# Altium PCB PASTE.PcbDoc (part 4 of 7)
Units mil, origin at the board's own origin, x right, y up, seen from the top; angles counter-clockwise.
Board outline 16220 x 11870 mil, 2 copper layers (Top Layer, Bottom Layer); 340 components, 0 nets, 1500 pads, 1280 vias.
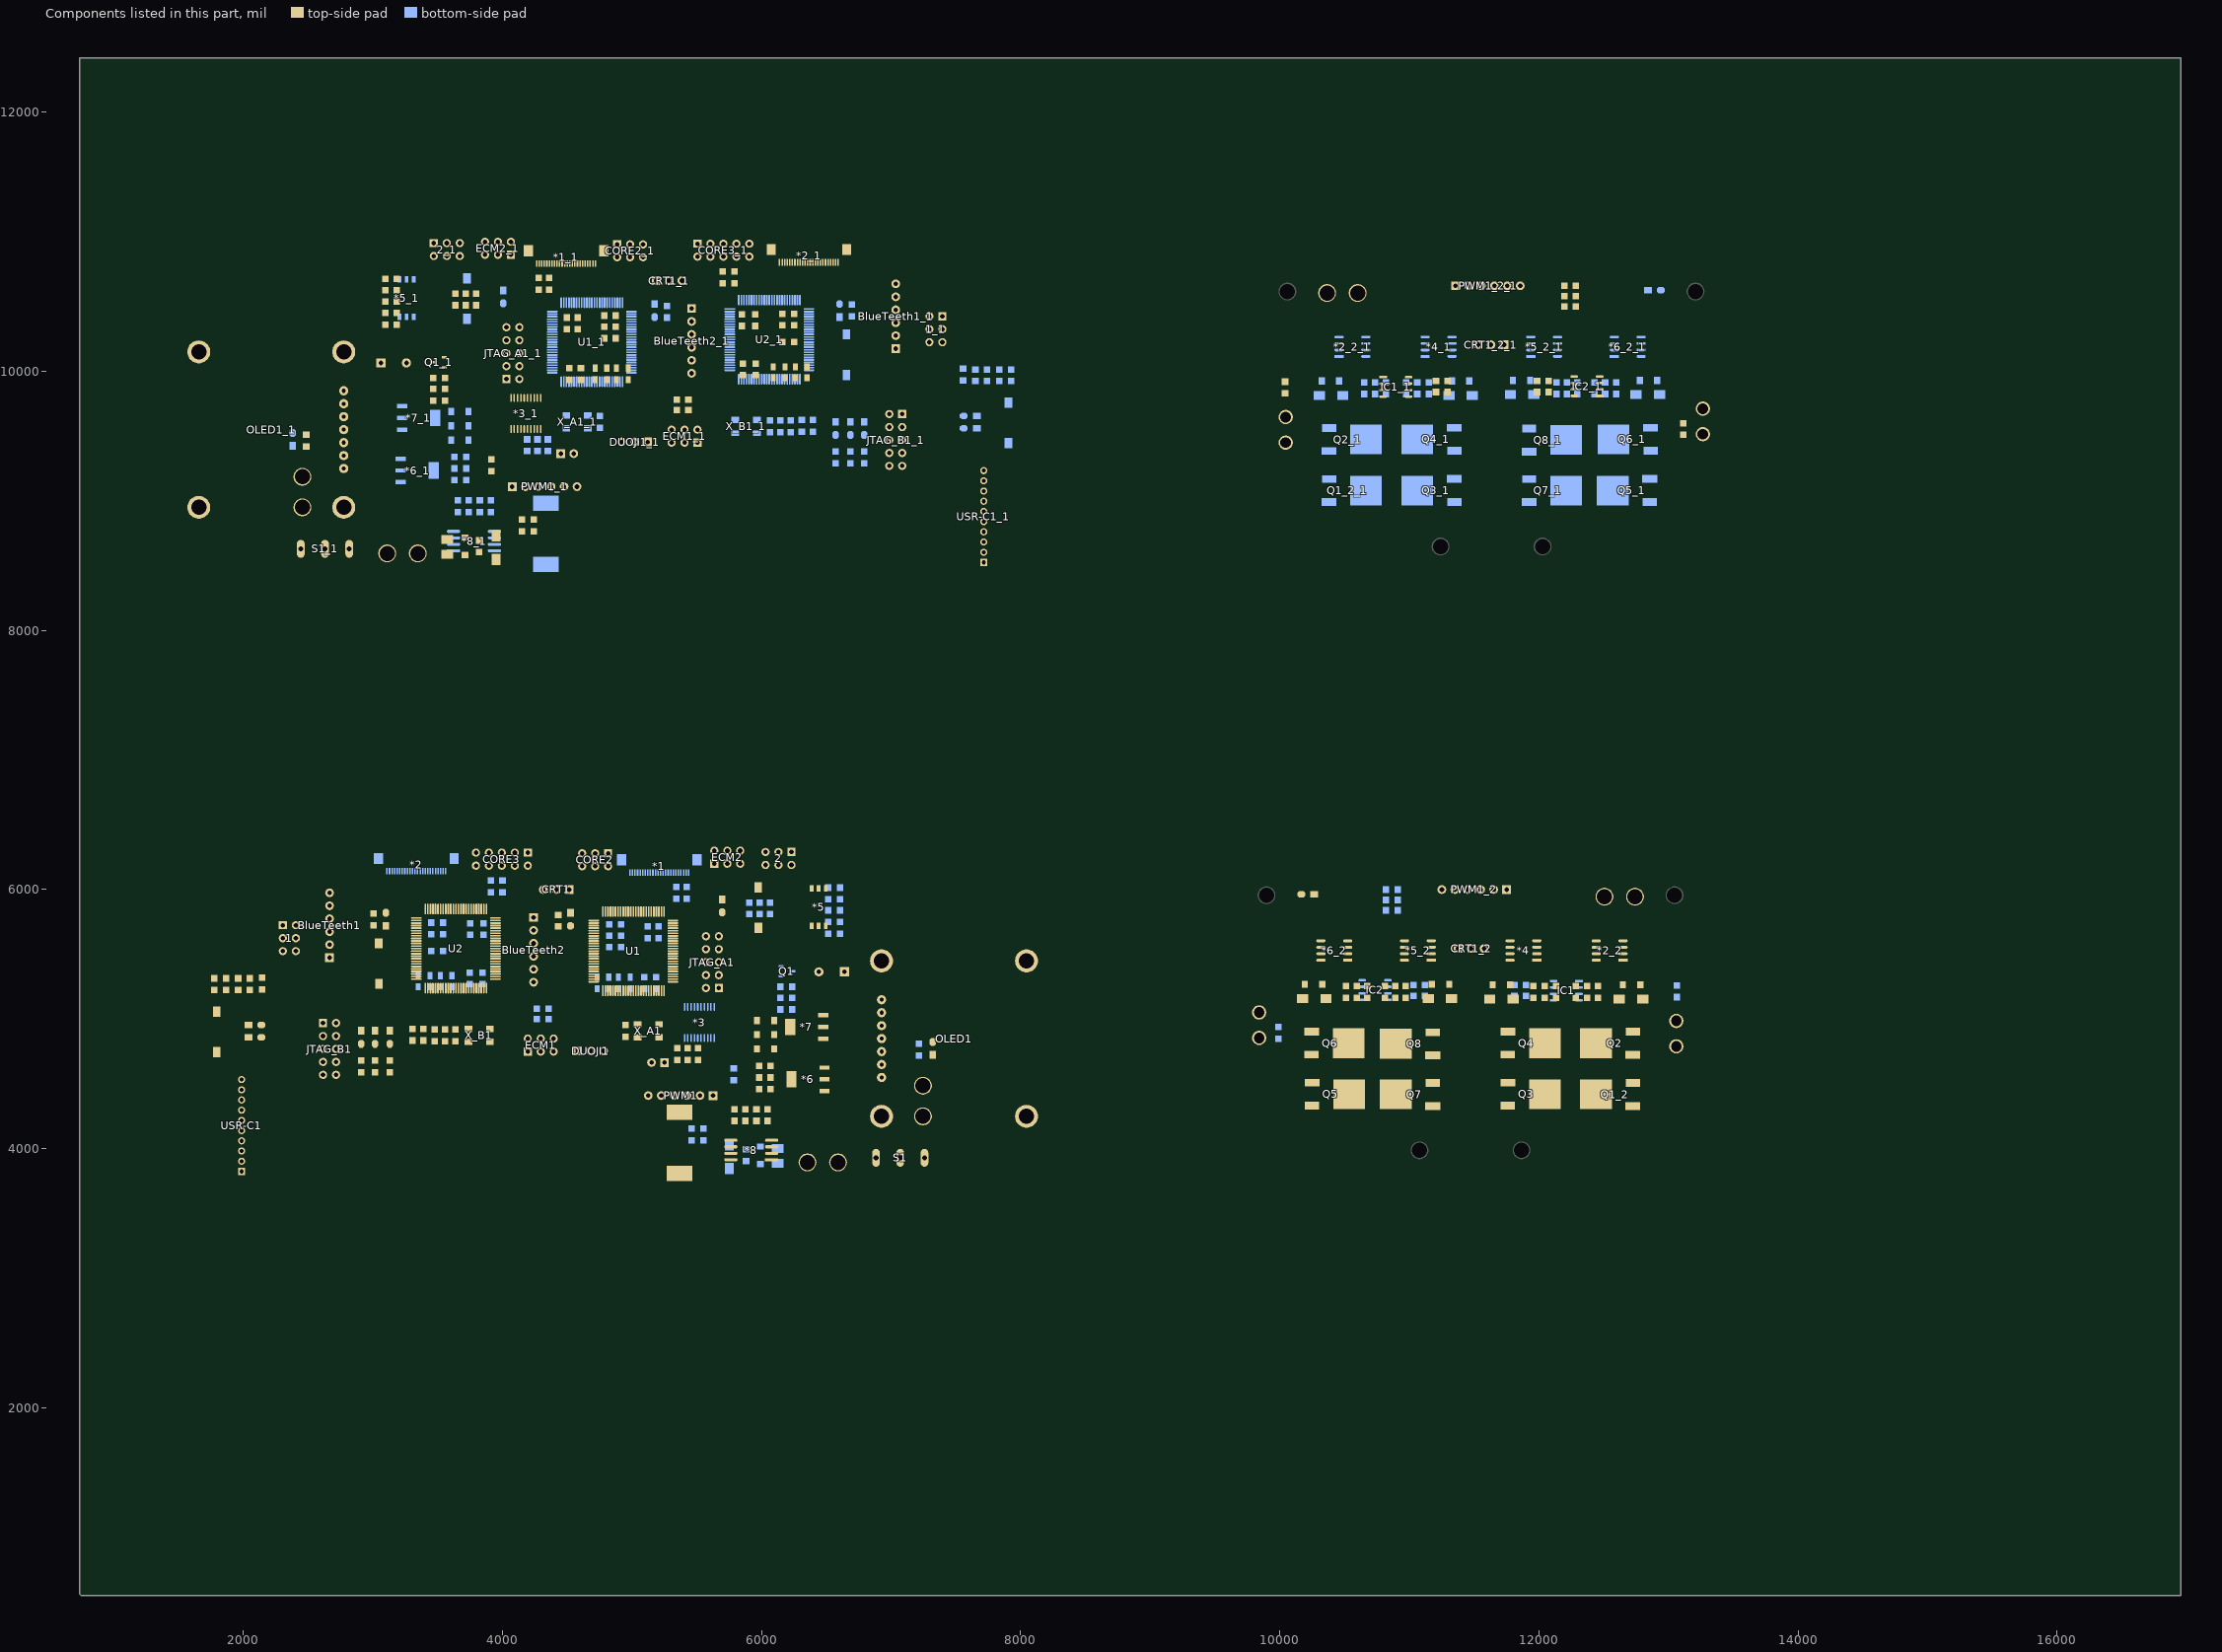
[diagram p4: the components of this part, seen from the top]

## Via types
v1: diameter 20, hole 15, Top Layer to Bottom Layer, tented both sides, 836 vias
v2: diameter 20, hole 10, Top Layer to Bottom Layer, tented both sides, 412 vias
v3: diameter 30, hole 20, Top Layer to Bottom Layer, tented both sides, 22 vias
v4: diameter 177.17, hole 157.48, Top Layer to Bottom Layer, tented both sides, 6 vias
v5: diameter 40, hole 30, Top Layer to Bottom Layer, tented both sides, 4 vias

## Nets (pads, with @x,y where several pads share a name; then routed paths per layer and width w, separated by ;. In a path a pad name is that pad's centre, name@x,y a point inside that pad or via, vN(x,y) a via of type N, cw(c..) or ccw(c..) an arc to the next point about the centre after c; other vN are vias at no path point) (continued)
copper on no net: (continued)
  Top Layer w10: 7073.34,9681.66 ccw(c7045.18,9709.82) 7085,9709.82 ccw(c7124.82,9709.82) 7096.66,9681.66 ; 7085,9643.5 cw(c7085,9579.54) 7130.23,9624.77 cw(c7175.46,9670) 7111.5,9670 ; 7085,9653.5 cw(c7085,9613.68) 7113.16,9641.84 cw(c7141.32,9670) 7101.5,9670 ; v2(7235,4870) 7275,4870 7320,4825 ; v2@7238.54,4866.46 cw(c7247.07,4857.93) 7247.07,4870 cw(c7247.07,4882.07) v2@7238.54,4873.54 ; 7276.26,10206.26 ccw(c7231.03,10161.03) 7231.03,10225 ccw(c7231.03,10288.97) 7276.26,10243.74 ccw(c7231.03,10288.97) 7295,10288.97 ccw(c7358.97,10288.97) 7313.74,10243.74 ; 7276.26,10306.26 cw(c7231.03,10261.03) 7295,10261.03 cw(c7358.97,10261.03) 7313.74,10306.26 ; 7276.26,10343.74 ccw(c7231.03,10388.97) 7295,10388.97 ccw(c7358.97,10388.97) 7313.74,10343.74 ; 7276.26,10406.26 cw(c7231.03,10361.03) 7295,10361.03 cw(c7358.97,10361.03) 7313.74,10406.26 ; 7277.32,4867.68 ccw(c7320,4910.36) 7320,4850 ; 7283.34,10213.34 ccw(c7255.18,10185.18) 7255.18,10225 ccw(c7255.18,10264.82) 7283.34,10236.66 ccw(c7255.18,10264.82) 7295,10264.82 ccw(c7334.82,10264.82) 7306.66,10236.66 ; 7283.34,10313.34 cw(c7255.18,10285.18) 7295,10285.18 cw(c7334.82,10285.18) 7306.66,10313.34 ; 7283.34,10336.66 ccw(c7255.18,10364.82) 7295,10364.82 ccw(c7334.82,10364.82) 7306.66,10336.66 ; 7283.34,10413.34 cw(c7255.18,10385.18) 7295,10385.18 cw(c7334.82,10385.18) 7306.66,10413.34 ; 7289.39,4855.61 cw(c7263.79,4830) 7300,4830 ; 7294.39,4850.61 ccw(c7320,4876.21) 7320,4840 ; 7295,10425 7295,10325 7295,10225 7085,10225 ; v2@7576.46,9481.46 ccw(c7567.93,9472.93) 7567.93,9485 ccw(c7567.93,9497.07) v2@7576.46,9488.54 ; v2@7580,9480 cw(c7580,9467.93) 7588.54,9476.46 cw(c7597.07,9485) v2@7585,9485 ; v2@7635,8925 cw(c7635,8912.93) 7643.54,8921.46 cw(c7652.07,8930) v2@7640,8930 ; v2(7635,8930) 7646.3,8918.7 7714,8918.7 ; 7691.5,8603.74 ccw(c7637.18,8603.74) 7675.59,8642.15 ccw(c7714,8680.56) 7714,8626.24 ; 7698.09,8902.79 ccw(c7659.68,8864.38) 7659.68,8918.7 ccw(c7659.68,8973.02) 7698.09,8934.61 ; 7701.5,8603.74 ccw(c7671.32,8603.74) 7692.66,8625.08 ccw(c7714,8646.42) 7714,8616.24 ; 7705.16,8909.86 ccw(c7683.82,8888.52) 7683.82,8918.7 ccw(c7683.82,8948.88) 7705.16,8927.54 ; 7714,8603.74 7595.24,8722.5 7595.24,9469.76 v2(7580,9485) 7270,9485 7085,9670 7085,10225 ; 10245.23,4904.55 10259.55,4904.55 10320,4965 10560,4965 v1(10635,5040) ; 10250.23,4509.55 10360.68,4620 10630,4620 10720,4710 10720,4930.36 10895,5105.36 10895,5165 ; 10316.65,5455 10365.55,5406.1 10365.55,5236.23 10355.55,5226.23 10355.55,5160 10433.79,5160 10478.79,5205 10630,5205 10680,5255 ; v1(10390,4990) 10390,5020 10510,5140 10510,5165 ; 10523.35,5505 10735,5505 10905,5675 11025,5675 11350,6000 ; v1(10580,4820) v1(10580,4860) v1(10580,4900) 10655,4900 10765,5010 10765,5210 10810,5255 10810,5505 10860,5555 10961.65,5555 ; 10810,5165 10850,5205 10911.21,5205 10930,5223.79 10930,5286.21 10961.65,5317.87 10961.65,5455 v1(10905,5455) ; 10875,5255 10875,5465 10915,5505 10961.65,5505 ; v1(10880,5040) 10975,5135 10975,5170 ; 10961.65,5605 10966.65,5600 10995,5600 11030,5565 11030,5310 10975,5255 ; v1(11070,5405) 11070,5234.45 11144.45,5160 ; v1(11105,4765) 11135.22,4765 11179.77,4720.45 ; 11168.35,5505 11140,5505 11117.91,5527.09 11117.91,5642.91 11450,5975 11450,6000 ; 11550,6000 11550,5980 11900,5630 11900,5540 11935,5505 11983.35,5505 ; 11650,6000 11661.86,6000 11710.32,5951.54 11803.46,5951.54 12080,5675 12480,5675 12565,5590 12565,5520 12580,5505 12648.35,5505 ; v1(12000,9425) 12115,9310 12680,9310 12715,9345 v1(12715,9650) ; v1(12035,10065) 12085,10115 v1(12200,10115) ; v1(12225,9700) v1(12470,9700) ; 2655.43,4829.57 2731.75,4829.57 2757.18,4855 3300,4855 3350,4805 ; 2971.06,5758.94 3005,5792.87 3005,5815 ; 3351.06,4901.3 3390,4862.36 ; 3390,4835 3390,4862.36 ; 3390,4930 3390,4960 ; 3555,4830 3572.36,4830 3601.06,4858.7 ; 3601.06,4858.7 3601.06,4801.3 3606.3,4796.06 3663.7,4796.06 3668.94,4801.3 3668.94,4822.73 3703.77,4857.56 3770.23,4857.56 3802.79,4825 3903,4825 ; 3737,4925 3737,4935 ; 3876.06,5393.94 3892.84,5393.94 ; 3903,4773 3903,4825 ; 3904.43,5765.39 3941.57,5765.39 3945.43,5761.54 3949.29,5765.39 3986.44,5765.39 ; 4280,10764.57 4317.83,10802.4 ; 4430,5805 4472.36,5805 ; v2(4470,9980) 4515,10025 4605,10025 4635,9995 ; v2(4470,9980) 4470,10180 v2(4485,10195) 4495,10205 4495,10325 4580,10325 ; 4580,10325 4580,10355 ; 4580,10325 4600,10345 4785,10345 ; 4580,10415 4693.22,10415 4742.16,10463.94 4833.94,10463.94 v2(4840,10470) 4875,10435 4875,10430 4875,10345 4910,10345 ; 4615,6237.18 4655.43,6196.75 4655.43,6005.61 4789.83,5871.22 ; 4715,6237.18 4755.43,6196.75 4755.43,5945.03 4829.2,5871.27 ; 5356.44,5540.83 5357.26,5540 ; 5356.44,5580.2 5356.63,5580 ; 5529.57,5423.25 5529.57,5594.57 ; 5529.57,5594.57 5572.5,5637.5 5610.43,5599.57 ; 5610.43,5599.57 5869.57,5599.57 5975,5705 6030,5760 ; 5855,10060 5953,10060 5960,10060 v2(6020,10000) 6055,10035 ; 5950,10440 5960,10430 6025,10430 6040,10445 6040,10490 6045,10495 6080,10495 v2(6090,10485) 6096.06,10478.94 6188.7,10478.94 ; 6188.7,10478.94 6222.64,10445 ; 6222.64,10445 6250,10445 ; 6250,10355 6250,10445 ; 4065,9580 ccw(c4065,9593.2) 4074.33,9583.87 cw(c4065,9593.2) 4065,9580 ; 4733.71,5283.06 ccw(c4741.07,5290.38) 4741.07,5280 cw(c4741.07,5290.4) 4733.72,5283.04
  Top Layer w15: 1792.99,4747.13 ccw(c1803.51,4787.45) 1832.98,4757.98 ; 1795,4745 1820,4745 ; 1796.78,4761.64 ccw(c1811.18,4816.8) 1851.49,4776.49 ; 1800.57,4776.16 ccw(c1818.84,4846.15) v2(1870,4795) 1820,4745 ; 1810.58,4729.42 cw(c1848.18,4691.82) 1848.18,4745 cw(c1848.18,4798.18) 1810.58,4760.58 ; 1852.63,5327.37 ccw(c1822.75,5357.25) 1865,5357.25 ccw(c1907.25,5357.25) 1877.37,5327.37 ; 1862.71,5212.71 ccw(c1868.33,5242.84) 1889.99,5221.17 ; 1865,5207.5 cw(c1865,5165.25) 1894.87,5195.13 cw(c1924.75,5225) 1882.5,5225 ; 1865,5315 1865,5370 1945,5450 2135,5450 2145,5440 2145,5365 ; 1865.46,5227.46 ccw(c1874.65,5276.77) 1910.13,5241.3 ; 1868.21,5242.2 ccw(c1880.98,5310.71) 1930.26,5261.43 ; 1880.53,5216.93 cw(c1893.82,5210.01) 1893.82,5225 cw(c1893.82,5239.99) 1880.53,5233.07 ; v2(1915,5175) 1865,5225 1893.83,5225 1930.26,5261.44 ; 1947.63,5327.37 ccw(c1917.75,5357.25) 1960,5357.25 ccw(c2002.25,5357.25) 1972.37,5327.37 ; 1960,5207.5 cw(c1960,5165.25) 1989.87,5195.13 cw(c2019.75,5225) 1977.5,5225 ; 1960,5225 2010,5175 2010,5135 2045,5100 2210,5100 2260,5050 2260,4950 2170,4860 2140,4860 ; 1960,5315 v2(1960,5380) ; 1966,3982.48 ccw(c1917.72,3982.48) 1951.86,4016.62 ccw(c1986,4050.76) 1986,4002.48 ; 1986,3982.48 1945,4023.48 1945,4400 1947.06,4402.06 1947.06,4471.05 1969.87,4493.86 2001.26,4493.86 2140,4632.6 2140,4705 2100,4745 1820,4745 ; 1986,4454.92 1990.44,4450.48 2025.48,4450.48 ; 2000.14,4440.78 cw(c2023.57,4417.35) 2023.57,4450.48 ; 2003.9,4463.84 ccw(c2025.48,4474.6) 2025.48,4450.48 ; 2037.63,5212.63 cw(c2007.75,5182.75) 2050,5182.75 cw(c2092.25,5182.75) 2062.37,5212.63 ; 2038.03,5311.41 ccw(c2073.51,5322.05) 2073.51,5285 ; v2(2050,5155) 2050,5225 ; 2050,5297.5 cw(c2050,5255.25) 2079.87,5285.13 cw(c2109.75,5315) 2067.5,5315 ; 2050,5315 2080,5285 2113.83,5285 2115.26,5283.56 2174.74,5283.56 2176.17,5285 2230,5285 2300,5215 2300,4725 2025.48,4450.48 ; 2052.39,5315.72 ccw(c2093.67,5328.09) 2093.67,5285 ; 2066.76,5320.02 ccw(c2113.82,5334.13) 2113.82,5285 ; 2122.63,4967.37 ccw(c2092.75,4997.25) 2135,4997.25 ccw(c2177.25,4997.25) 2147.37,4967.37 ; 2130.72,5219.89 ccw(c2111.18,5206.06) 2111.18,5230 ccw(c2111.18,5253.94) 2130.72,5240.11 ; 2132.63,5332.37 ccw(c2102.75,5362.25) 2145,5362.25 ccw(c2187.25,5362.25) 2157.37,5332.37 ; v2(2135,5020) 2135,4960 2140,4955 ; 2145,4862.5 ccw(c2145,4928.89) 2191.95,4881.95 ; 2145,4877.5 ccw(c2145,4980.1) 2217.55,4907.55 ; 2145,5230 2111.17,5230 2079.74,5261.44 1930.26,5261.44 ; 2145,5320 2145,5365 ; 2281,5525 cw(c2223.07,5525) 2264.04,5484.04 cw(c2305,5443.07) 2305,5501 ; 2305,5525 2145,5365 ; 2305,5725 2344.28,5725 ; 2326.35,5714.05 cw(c2344.28,5704.85) 2344.28,5725 ; 2326.35,5735.95 ccw(c2344.28,5745.15) 2344.28,5725 ; 2585.26,5682.07 cw(c2585.26,5595.26) 2646.64,5656.64 ; 2619.38,5682.07 ccw(c2619.38,5720.62) 2646.64,5693.36 ; 2621.47,5682.07 cw(c2621.47,5631.47) 2657.25,5667.25 ; 2683.36,5656.64 cw(c2727.68,5612.32) 2727.68,5675 cw(c2727.68,5737.68) 2683.36,5693.36 ; 2987.5,5815 cw(c2945.25,5815) 2975.13,5785.13 cw(c3005,5755.25) 3005,5797.5 ; 3005,5815 2865,5675 2665,5675 2657.93,5682.07 2387.22,5682.07 2344.28,5725 ; 3710,8716.38 3798.07,8716.38 3820,8694.45 ; 3724.81,8716.38 cw(c3724.81,8599.26) 3807.63,8682.07 ; 3725.34,8704.98 cw(c3752.86,8677.46) 3752.86,8716.38 cw(c3752.86,8755.3) 3725.34,8727.78 ; 3761.02,8716.38 cw(c3761.02,8635.47) 3818.23,8692.68 ; 3797.24,8716.38 cw(c3797.24,8671.68) 3828.84,8703.29 ; 7378.03,10241.97 ccw(c7337.07,10282.93) 7395,10282.93 ccw(c7452.93,10282.93) 7411.97,10241.97 ; 7378.03,10308.03 cw(c7337.07,10267.07) 7395,10267.07 cw(c7452.93,10267.07) 7411.97,10308.03 ; 7378.03,10341.97 ccw(c7337.07,10382.93) 7395,10382.93 ccw(c7452.93,10382.93) 7411.97,10341.97 ; 7378.03,10408.03 cw(c7337.07,10367.07) 7395,10367.07 cw(c7452.93,10367.07) 7411.97,10408.03 ; 7395,10225 7395,10325 7395,10425 ; v2(7565,9720) 7565,9905 v2(7740,10080) ; v2(7650,9855) 7635.56,9840.56 7635.56,9310.33 7712.23,9233.66 7714,9233.66 ; 7676.84,9269.05 ccw(c7714,9306.21) 7714,9253.66 ; 7681.11,9264.79 cw(c7649.98,9233.66) 7694,9233.66 ; v2(7785,9875) 7785,9540 v2(7830,9495) ; 10174.45,5160 10216.93,5160 10326.93,5270 10326.93,5348.07 v1(10265,5410) ; v1(10390,10210) 10410,10230 v1(11030,10230) ; v1(10470,9065) 10470,9565 10555,9650 v1(10630,9650) ; v1(10570,9700) v1(10760,9700) ; v1(10595,5555) 10523.35,5555 10470,5555 10450,5535 10450,5480 10475,5455 10523.35,5455 v1(10770,5455) ; 10796.57,9855 10796.57,9805 10796.57,9723.43 v1(10970,9550) v1(11010,9510) v1(11010,9470) v1(11010,9430) v1(11010,9390) ; 10796.57,9905 10796.57,9955 ; v1(10985,10005) 11007.5,10027.5 11007.5,10126.39 11101.11,10220 v1(11410,10220) ; 10993.43,9855 11008.43,9840 11205,9840 ; 10993.43,9905 10965,9905 10930,9940 10930,10084.25 11101.72,10255.96 11651.11,10255.96 11702.07,10205 11730,10205 ; v1(11015,9735) v1(11325,9735) ; v1(11025,5735) 11025,5775 11250,6000 ; v1(11035,10115) 11195,10115 11270,10040 v1(11345,10040) ; v1@11220,5455 11168.35,5455 11173.07,5450.28 11173.07,5270 11215.55,5270 11325.55,5160 11330.55,5155 11619.45,5155 11666.93,5155 11776.93,5265 11760,5281.93 v1(11760,5380) ; v1@11222.5,5457.5 11245,5480 11245,5525 11215,5555 11168.35,5555 11173.35,5560 v1(11260,5560) ; v1(11230,10365) 11285,10310 v1(11370,10310) ; v1(11695,5560) 11771.65,5560 11776.65,5555 ; v1(11735,5650) 11776.65,5608.35 11776.65,5605 ; 11760.23,4509.55 11760.23,4617.8 11835.23,4692.8 11835.23,4980.23 11955,5100 11955,5165 ; 11760.23,4904.55 11760.23,4983.28 11895,5118.05 11895,5180 11927.5,5212.5 11982.25,5212.5 12029.75,5165 12045,5165 ; 11776.65,5455 11776.65,5408.35 11855,5330 11855,5209.45 11800.55,5155 11800.55,5149.45 11780,5128.9 v1(11780,5075) ; 11776.65,5505 11840,5505 11960,5385 11960,5255 ; v1(11845,10220) 11985,10220 12030,10265 12030,10345 v1(12080,10395) ; 11855,10660 12195,10660 ; v1(11875,5705) 12005,5705 12125,5585 12125,5471.11 12045,5391.11 12045,5255 ; v1(11880,10115) 12053.18,10115 12080.68,10142.5 12211.39,10142.5 12238.89,10115 v1(12335,10115) ; 11983.35,5455 v1(12070,5455) 12100,5485 12100,5545 v1(12075,5570) 11998.35,5570 11983.35,5555 ; v1@12045.35,4815 12087.68,4857.32 ; v1(12090,5075) 12095,5075 12130,5110 12130,5165 ; v1(12120,5345) 12120,5265 12130,5255 12130,5239.75 12172.5,5197.25 12172.5,4942.15 12127.68,4897.32 ; v1(12345,5040) 12285,5100 12285,5165 12285,5180.25 12327.5,5222.75 12327.5,5387.5 12395,5455 12441.65,5455 ; 12370,5165 12370,5095 v1(12475,4990) ; 12370,5255 12375,5260 12375,5315 12510,5450 12510,5485 12490,5505 12441.65,5505 ; v1@12439.65,4815 12242.5,5012.15 12242.5,5197.25 12285,5239.75 12285,5255 12285,5470 12370,5555 12441.65,5555 ; 12441.65,5605 12485,5605 12540,5550 12540,5390 12455,5305 12455,5255 ; 12455,5165 12455,5070 12640,4885 12640,4810.22 12724.77,4725.45 ; v1(12510,10215) 12684.53,10215 12712.03,10242.5 12886.39,10242.5 12902.5,10226.39 12902.5,10158.61 12840,10096.11 v1(12840,10070) ; v1(12535,5040) 12619.45,5124.45 12619.45,5155 ; v1(12635,4405) 12709.55,4330.45 12724.77,4330.45 ; 12648.35,5555 12710,5555 v1(12715,5550) 12725,5540 12725,5475 12705,5455 12648.35,5455 12648.35,5265.28 12648.07,5265 12758.07,5155 12800.55,5155
  Top Layer w20: v2(3040,10305) 3095,10360 ; v2(3150,9500) 2685,9500 2635,9550 2635,10335 3190,10890 3470,10890 3570,10890 3670,10890 ; 3258.43,10065 3263.43,10070 3460.71,10070 ; 3276.41,10047.02 cw(c3331.9,9991.53) 3331.9,10070 ; 3276.41,10082.98 ccw(c3307.75,10114.33) 3307.75,10070 ; v2(3395,9865) 3465,9865 ; 3454.39,9854.39 ccw(c3428.79,9828.79) 3428.79,9865 ccw(c3428.79,9901.21) 3454.39,9875.61 ; 3454.8,10874.8 ccw(c3418.1,10838.1) 3418.1,10890 ccw(c3418.1,10941.9) 3454.8,10905.2 ; v2(3485,8750) 3485,8677.91 3575,8587.91 ; 3485.2,10874.8 cw(c3521.9,10838.1) 3521.9,10890 cw(c3521.9,10941.9) 3485.2,10905.2 ; 3514.78,8648.13 cw(c3454.56,8587.91) 3539.72,8587.91 ; v3(3515,9495) 3600,9580 v3(3665,9580) ; 3538.54,8624.37 ccw(c3565.16,8650.99) 3565.16,8613.35 ; 3547.17,8720.07 ccw(c3516.21,8751.04) 3560,8751.04 ; 3554.8,10874.8 ccw(c3518.1,10838.1) 3518.1,10890 ccw(c3518.1,10941.9) 3554.8,10905.2 ; 3557.02,8720.07 ccw(c3513.6,8763.49) 3575,8763.49 ccw(c3636.4,8763.49) 3592.98,8720.07 ; 3560,8775.94 ccw(c3639.01,8775.94) 3583.14,8720.07 ; v2(3560,8845) 3560,8717.09 3575,8702.09 3575,8770 3630,8825 3905,8825 ; v2(3570,9050) v2(3570,9200) ; 3585.2,10874.8 cw(c3621.9,10838.1) 3621.9,10890 cw(c3621.9,10941.9) 3585.2,10905.2 ; 3654.8,10874.8 ccw(c3618.1,10838.1) 3618.1,10890 ccw(c3618.1,10941.9) 3654.8,10905.2 ; v2(3705,8860) 3825,8860 v2(3965,9000) ; 3710,8716.38 3710,8735 v2(3735,8760) ccw(c3760.83,8734.17) 3726.67,8721.21 ; v2(3725,8470) 3871.1,8470 3950,8548.9 4028.9,8548.9 v2(4110,8630) ; v2(3765,9770) 3795,9740 v2(3795,9610) ; v2(3785,9340) 3895,9340 3915,9320 ; v2(3790,8505) 3820,8535 3820,8604.45 ; v2(3790,9280) v2(3865,9280) ; 3809.39,8593.84 cw(c3783.79,8568.24) 3820,8568.24 cw(c3856.21,8568.24) 3830.61,8593.84 ; v2(3820,9680) 3867.5,9632.5 3915,9585 3915,9320 ; 3893.14,8492.04 cw(c3950,8435.18) 3950,8515.59 ; 3914.53,8513.42 ccw(c3887.91,8540.04) 3925.55,8540.04 ; 3926.38,8745.19 ccw(c3846.58,8766.58) 3905,8825 ; 3929.5,8800.5 cw(c3885.21,8756.22) 3945.7,8740.01 ; 3938.31,8760.33 ccw(c3927.61,8780) 3950,8780 ; 3950,8763.31 ccw(c3950,8843.72) 4006.86,8786.86 ; 3953.99,8776.01 cw(c3923.85,8745.87) 3965.02,8734.83 ; 3961.69,8760.33 cw(c3972.39,8780) 3950,8780 ; 3967.29,8531.61 cw(c4009.02,8489.87) 4009.02,8548.9 cw(c4009.02,8607.92) 3967.29,8566.19 ; 3974.45,8738.86 cw(c4012.09,8738.86) 3985.47,8765.47 ; v2(3995,9360) 3955,9360 3915,9320 ; v2(4015,9705) 4065,9655 4065,9555 ; 4032.07,8622.07 cw(c4015,8639.14) v2(4015,8615) 4025,8615 v2(4075,8665) ; v3(4115,4950) 4196.15,4950 4235.09,4911.06 4788.94,4911.06 v3(4815,4885) ; 4139.39,8844.39 ccw(c4113.79,8818.79) 4113.79,8855 ccw(c4113.79,8891.21) 4139.39,8865.61 ; 4150,8750 cw(c4150,8713.79) 4175.61,8739.39 cw(c4201.21,8765) 4165,8765 ; 4150,8765 4230,8685 4490,8685 4620,8815 ; 4150,8870 ccw(c4150,8906.21) 4175.61,8880.61 ccw(c4201.21,8855) 4165,8855 ; 4229.39,8775.61 ccw(c4203.79,8801.21) 4240,8801.21 ccw(c4276.21,8801.21) 4250.61,8775.61 ; 4229.39,8844.39 cw(c4203.79,8818.79) 4240,8818.79 cw(c4276.21,8818.79) 4250.61,8844.39 ; 4236.46,8851.46 ccw(c4264.14,8879.14) 4264.14,8840 ; 4240,8765 4240,8855 4255,8840 v2(4500,8840) ; 4250.61,8865.61 ccw(c4312.43,8927.43) 4312.43,8840 ; v3(4330,9335) 4365,9300 4485,9300 4550,9365 4615,9300 4615,9144.44 4622.4,9137.04 4622.4,8845 ; 4521.95,9089.92 cw(c4564.28,9047.59) 4574.41,9106.59 ; 4571.03,9086.87 ccw(c4556.27,9000.96) 4494.64,9062.6 ; 4575,9110 4542.04,9110 4494.63,9062.6 ; v2(4595,9590) 4615,9610 v2(4615,9665) ; 4680,4755 4712.96,4755 4760.37,4707.6 ; 4680.59,4751.59 cw(c4690.72,4692.59) 4733.05,4734.92 ; 4683.97,4731.87 cw(c4698.73,4645.96) 4760.36,4707.6 ; v3(4815,9510) 4885,9580 v3(4885,9585) ; 4872.93,9567.93 ccw(c4855.86,9585) v3@4880,9585 ; v3(4885,4810) 4963.46,4731.54 5150.5,4731.54 5217.04,4665 5250,4665 5335,4580 v2(5835,4580) ; v2(5105,4890) 5165.14,4890 5172.7,4897.56 5467.44,4897.56 v2(5705,4660) ; 5153.67,4728.37 ccw(c5250,4824.7) 5250,4688.46 ; 5187.81,4694.22 ccw(c5250,4756.41) 5250,4668.46 ; v2(5200,4140) 5077.6,4262.4 5077.6,4429.63 5080,4432.04 5080,4635 5007.4,4707.6 4760.37,4707.6 ; 5330.31,4246.53 cw(c5234.5,4150.72) 5370,4150.72 ; 5344.45,4260.68 cw(c5282.78,4199) 5370,4199 ; 5370,3773.78 5498.78,3773.78 ; 5370,4174.86 cw(c5471.36,4174.86) 5399.69,4246.53 ; 5370,4246.22 5370,4150 v2(5590,3930) ; v3(5370,4635) 5420,4685 5430,4685 ; 5413.36,3809.83 ccw(c5453.85,3814.54) 5453.85,3773.78 ; 5433.23,3812.14 ccw(c5476.31,3817.15) 5476.31,3773.78 ; 5453.1,3814.45 ccw(c5498.78,3819.77) 5498.78,3773.78 ; v3(5585,9650) 5625,9610 5625,9520 ; v2(5625,3965) 5625,4130 5748.94,4253.94 5823.94,4253.94 5875,4305 ; v2(5685,3915) 5762.52,3915 ; 5709.14,5015 ccw(c5709.14,4980.86) v2(5685,5005) 5695,5015 5856.06,5015 ; v2(5735,4300) 5785,4300 5790,4305 5945,4460 ; v2@5741.72,4300 ccw(c5741.72,4353.28) 5779.39,4315.61 ; 5762.52,3965 5690,3965 ; 5762.52,4015 5850,4015 v2(5995,4160) ; 5762.52,4065 5810,4065 5960,4215 6045,4215 ; 5775,4215 cw(c5738.79,4215) 5764.39,4189.39 cw(c5790,4163.79) 5790,4200 ; 5790,4320 ccw(c5790,4356.21) 5815.61,4330.61 ccw(c5841.21,4305) 5805,4305 ; 5800.61,4204.39 cw(c5826.21,4178.79) 5826.21,4215 cw(c5826.21,4251.21) 5800.61,4225.61 ; 5801.89,4066.81 ccw(c5801.89,4090.77) 5818.83,4073.83 ; 5856.06,5228.42 cw(c5886.58,5228.42) v2(5865,5250) ; 5856.06,5237.36 cw(c5869.47,5237.36) v2(5865,5250) ; 5860,4305 cw(c5823.79,4305) 5849.39,4279.39 cw(c5875,4253.79) 5875,4290 ; 5864.39,4204.39 ccw(c5838.79,4178.79) 5838.79,4215 ccw(c5838.79,4251.21) 5864.39,4225.61 ; 5875,4215 5790,4215 5650,4075 5650,4005.01 5690,3965 ; v2(5880,4980) 5890,4990 5963.07,4990 6004.57,5031.5 6474.06,5031.5 6475,5030.55 6475,5201.57 6638.43,5365 6638.43,5583.43 v2(6660,5605) ; 5885.18,4720.18 cw(c5963.07,4642.28) 5963.07,4752.44 ; 5894.64,4409.64 cw(c5980,4324.29) 5980,4445 ; v2(5905,4910) 5905,4828.07 5963.07,4770 5935,4770 ; v2(5910,3805) 5930,3825 5930,3945 6000,4015 6077.48,4015 ; v2(5910,4580) 5940,4550 5980,4550 6030,4600 6030,4815 5965,4880 ; v2(5915,4640) 5980,4640 ; 5919.32,4754.32 cw(c5963.07,4710.56) 5963.07,4772.44 ; 5928.79,4443.79 cw(c5980,4392.57) 5980,4465 ; 5933.1,4799.98 ccw(c5963.07,4829.95) 5963.07,4787.56 ; v2(5935,5070) 6030,5165 v2(6305,5165) ; 5942.6,4790.47 cw(c5926.07,4773.94) 5949.45,4773.94 ; 5945,4215 cw(c5908.79,4215) 5934.39,4189.39 cw(c5960,4163.79) 5960,4200 ; 5952.37,4761.57 ccw(c5935,4747.89) 5935,4770 ; 5952.37,4778.43 cw(c5935,4792.11) 5935,4770 ; 5960,4290 cw(c5960,4216.87) 6011.71,4268.58 ; 5960,4305 5975.29,4305 6026.35,4253.94 6075.77,4253.94 6083.94,4245.77 6083.94,4236.06 6140,4180 v2(6140,4145) ; 5963.07,4880 5965,4880 ; 5969.14,4449.66 ccw(c5945,4426.67) 5945,4460 ; 5969.14,4470.34 cw(c5945,4493.33) 5945,4460 ; 5969.39,4449.39 ccw(c5943.79,4423.79) 5943.79,4460 ccw(c5943.79,4496.21) 5969.39,4470.61 ; 5969.39,4539.39 ccw(c5943.79,4513.79) 5943.79,4550 ccw(c5943.79,4586.21) 5969.39,4560.61 ; 5970.61,4204.39 cw(c5996.21,4178.79) 5996.21,4215 cw(c5996.21,4251.21) 5970.61,4225.61 ; 5971,4448 cw(c5957.5,4430) 5980,4430 ; v2(5975,3770) 6077.48,3872.48 6077.48,3915 ; 5975.31,4461.73 ccw(c6006.16,4450.35) 5982.91,4427.09 ; 5977.08,4065 ccw(c5977.08,4047.92) v2(5965,4060) 5970,4065 6077.48,4065 6130,4065 6165,4030 ; 5989,4448 ccw(c6002.5,4430) 5980,4430 ; 5994.07,4454.81 ccw(c6038.43,4438.44) 6005,4405 ; 6034.39,4204.39 ccw(c6008.79,4178.79) 6008.79,4215 ccw(c6008.79,4251.21) 6034.39,4225.61 ; v3(6035,4880) 5965,4880 ; 6037.88,4948.51 cw(c6095.68,4890.7) 6096.75,4972.44 ; 6045,4305 6085,4305 v2(6130,4350) 6165,4315 6165,4100 ; 6055.61,4294.39 cw(c6081.21,4268.79) 6081.21,4305 cw(c6081.21,4341.21) 6055.61,4315.61 ; 6059.39,4470.61 ccw(c6033.79,4496.21) 6070,4496.21 ccw(c6106.21,4496.21) 6080.61,4470.61 ; 6059.39,4539.39 cw(c6033.79,4513.79) 6070,4513.79 cw(c6106.21,4513.79) 6080.61,4539.39 ; 6059.39,4560.61 ccw(c6033.79,4586.21) 6070,4586.21 ccw(c6106.21,4586.21) 6080.61,4560.61 ; 6059.39,4629.39 cw(c6033.79,4603.79) 6070,4603.79 cw(c6106.21,4603.79) 6080.61,4629.39 ; 6059.39,4650.61 ccw(c5968.77,4741.23) 6096.93,4741.23 ; 6070,4460 6070,4550 ; 6070,4535 cw(c6070,4474.64) 6112.68,4517.32 ; 6070,4655 ccw(c6070,4691.21) 6095.61,4665.61 ccw(c6121.21,4640) 6085,4640 ; 6071.4,4982.03 cw(c6096.55,4956.87) 6097.01,4992.44 ; 6073.54,4636.46 ccw(c6017.06,4692.94) 6096.93,4692.94 ; 6077.48,3965 6125,3965 6165,4005 6165,4030 ; 6087.3,4756.43 cw(c6064.04,4733.18) 6096.93,4733.18 cw(c6129.82,4733.18) 6106.56,4756.43 ; 6087.3,4783.57 ccw(c6064.04,4806.82) 6096.93,4806.82 ccw(c6129.82,4806.82) 6106.56,4783.57 ; 6087.3,4866.43 cw(c6064.04,4843.18) 6096.93,4843.18 cw(c6129.82,4843.18) 6106.56,4866.43 ; 6087.3,4893.57 ccw(c6064.04,4916.82) 6096.93,4916.82 ccw(c6129.82,4916.82) 6106.56,4893.57 ; 6087.3,4976.43 cw(c6064.04,4953.18) 6096.93,4953.18 cw(c6129.82,4953.18) 6106.56,4976.43 ; 6116.85,3966.81 ccw(c6116.85,3990.87) 6133.86,3973.86 ; 6116.85,4063.19 cw(c6116.85,4027.08) 6142.38,4052.62 ; v2(6130,4500) 6080,4550 6070,4550 ; v3(6185,4795) 6354.45,4625.55 6485,4625.55 6485,4839.45 6475,4849.45 6500.55,4849.45 v2(6550,4800) ; v2(6215,4050) 6165,4100 ; 6215,4550 6230,4535 6485,4535 6500,4550 6925.55,4550 ; 6220,4940 6475,4940 ; 6240.77,4919.23 cw(c6290.91,4869.09) 6290.91,4940 cw(c6290.91,5010.91) 6240.77,4960.77 ; 6250.77,4514.23 cw(c6300.91,4464.09) 6300.91,4535 cw(c6300.91,4605.91) 6250.77,4555.77 ; 6470.24,4844.69 cw(c6434.6,4809.05) 6485,4809.05 ; 6485,4444.45 6199.45,4444.45 6160,4405 6005,4405 ; 6497.64,4842.72 cw(c6497.64,4819.43) 6514.1,4835.9 ; 6512.4,4530.24 cw(c6560.1,4482.53) 6560.1,4550 ; 6907.57,4532.02 ccw(c6864.15,4488.6) 6864.15,4550 ccw(c6864.15,4611.4) 6907.57,4567.98 ; 6943.54,4532.02 cw(c6986.95,4488.6) 6986.95,4550 cw(c6986.95,4611.4) 6943.54,4567.98 ; 6960,4550 7181.22,4550 ; 7190.12,4507.61 ccw(c7153.21,4521.99) 7181.22,4550 ; 7223.61,4541.1 cw(c7209.23,4578.01) 7181.22,4550 ; 7245,4486.22 7181.22,4550 ; 7246.7,3930.23 ccw(c7250.53,3944.75) 7261.14,3934.13 ; 7251.8,3949.57 ccw(c7260.79,3983.73) 7285.76,3958.75 ; 7256.89,3968.91 ccw(c7271.05,4022.7) 7310.38,3983.37 ; 7257.01,3930 7335,4007.99 ; 7261.98,3988.25 ccw(c7281.31,4061.68) 7335,4007.99 ; 7309.39,4709.39 cw(c7247.57,4647.57) 7335,4647.57 ; 7320,4725 7335,4710 7335,4007.99 ; 7323.54,4723.54 cw(c7295.86,4695.86) 7335,4695.86 ; 10193.07,5270 10200,5276.93 10200,5567.43 ; v1(10230,5555) 10316.65,5555 ; v1(10235,5505) 10316.65,5505 ; 10265,5965 10470,5760 v1(10880,5760) ; 10316.65,5605 10375,5605 10405,5575 10405,5360 10510,5255 ; v1(10450,5405) 10450,5400 10595,5255 ; v1(10510,5000) 10510,5085 10595,5170 ; 10523.35,5605 10485,5605 10455,5635 10354.86,5635 10354.03,5635.83 10268.4,5635.83 10200,5567.43 ; v1(10595,5341.57) 10673.43,5341.57 10725,5290 10725,5226.72 10675,5176.72 10675,5165 10665,5155 v1(10665,4950) ; v1(10805,4980) 11060,4980 11090,4950 11090,4865 11130,4825 11260,4825 11355,4730 11355,4440 11245.45,4330.45 11179.77,4330.45 ; 10993.43,9805 11003.43,9795 11250,9795 11295,9840 11295,9925 11470,9925 v1(11515,9880) ; 10993.43,9955 11175,9955 11205,9925 11216.72,9925 11261.72,9970 11515,9970 11700,9785 12020,9785 12075,9840 12105,9810 12271.57,9810 12350,9810 12400,9860 12400,10385 12285,10500 12285,10580 12285,10660 ; v1(11135,10300) 11135,10340 11355,10560 ; 11168.35,5605 11170,5605 ; v1(11220,5655) 11170,5605 ; 11306.93,5270 11575,5538.07 ; 11355,10660 11355,10560 ; 11530,10205 11810,9925 11985,9925 ; v1(11590,5220) 11635,5265 11643.07,5265 11575,5333.07 11575,5538.07 ; 11630,10205 11800,10035 12315,10035 12355,9995 12355,9910 12305,9860 12271.57,9860 ; 11759.23,4331.55 11860,4432.32 11860,4512.15 12045,4697.15 v1(12045,4730) v1(12045,4770) v1(12045,4810) v1(12045,4850) v1(12045,4890) ; v1(11970,5640) 11983.35,5626.65 11983.35,5605 ; 11985,9840 11985,9925 ; 12075,9925 12090,9910 12271.57,9910 ; 12195,10580 12150,10580 v1(11885,10315) 11600,10315 11355,10560 ; 12206.72,10500 12195,10500 12195,10450 v1(12225,10420) ; 12271.57,9960 12261.57,9970 12041.72,9970 11996.72,9925 11985,9925 ; v1(12300,9545) 12375,9545 v1(12440,9610) ; v1(12300,9640) 12575,9640 v1(12595,9660) ; 12468.43,9810 12468.43,9860 ; 12468.43,9910 12468.43,9960 v1(12510,10001.57) 12723.43,10215 v1(12875,10215) ; v1(12655,10065) 12755,10165 v1(12870,10165) ; 12781.93,5265 12781.93,5553.07 12730,5605 12648.35,5605 12276.81,5976.54 11773.46,5976.54 11750,6000 11650,6100 10300,6100 10165,5965 10165,5602.43 10200,5567.43 ; 3905,8825 3950,8780 ; 3950,8780 3950,8730 4075,8855 4150,8855 4357.6,9062.6 4494.63,9062.6 ; 5498.78,3773.78 5690,3965 ; 5856.06,5015 5856.06,5241.06 v2(5865,5250) ; 5856.06,5015 5856.06,4970.09 5877.64,4948.5 6037.87,4948.5 6079.37,4990 6096.93,4990 6096.93,4880 6096.93,4770 6096.93,4666.93 6070,4640 6070,4550 ; 5935,4770 5875,4710 5875,4525 5940,4460 5980,4460 ; 5945,4460 5980,4460 ; 5980,4430 5980,4460 ; 5980,4430 6005,4405 ; 6165,4030 6165,4100 ; 11170,5605 11515,5605 11575,5545 11575,5538.07
  Top Layer w30: 6485,4444.45 6485,4000 6590,3895 ; 6536.1,3895 ccw(c6405.98,3895) 6497.99,3987.01 ccw(c6590,4079.02) 6590,3948.9
  Top Layer w40: v3(4620,8600) 4620,8815 4620,8842.6 4622.4,8845 ; v3(5080,3900) 5080,3805 5160,3725 6183.78,3725 6353.78,3895 ; 5350,4685 5420,4685 ; 5430,4685 5510,4685 ; 6080,4550 6215,4550 ; 6096.93,4880 6160,4880 ; 6162.42,4550 ccw(c6162.42,4626.2) 6216.3,4572.32 ; 6216.37,4897.35 ccw(c6204.57,4835.43) 6160,4880 ; 6220,4940 6160,4880 ; 6304.88,3895 cw(c6186.83,3895) 6270.31,3811.53 cw(c6353.78,3728.05) 6353.78,3846.1 ; 10040,9920 v5(10040,9990) ; v5(10085,4950) 10085,5240 10115,5270 10193.07,5270 ; 12781.93,5265 12846.93,5330 v5(13065,5330) ; v5(13020,9610) 13030,9600 13115,9600
  Top Layer w60: 10040,9830 10075,9830 10145,9760 ; v1(10285,9665) 10310,9665 10550,9905 10796.57,9905 ; v1@10335,9570 10235,9570 10145,9660 10145,9760 ; 10363.78,10605 10145,10386.22 10145,9760 ; 10405,9545 v1(10335,9545) 10290,9545 10225,9480 10225,8930 10415,8740 11045,8740 11350,9045 11350,9385 11395,9385 ; v1@10894.65,4810 11180.77,4523.87 11180.77,4508.45 ; 11225,4898.45 11321.55,4898.45 11493.45,4726.55 11715,4726.55 ; 11310,9385 11315,9390 ; v1(11880,9575) v1(11905,9575) v1(11935,9575) v1(11965,9575) ; v1(11965,9545) v1(11935,9545) v1(11905,9545) v1(11880,9545) 11880,9425 12065,9240 12715,9240 12830,9355 ; 12468.43,9810 12566.57,9711.85 13265,9711.85 ; 12800,5005 13060,5005 ; v1(12840,9400) v1(12870,9400) v1(12900,9400) 13005,9400 13115,9510 ; 12857.5,9382.5 12860,9385 ; 12870,9385 12900,9385
  Top Layer w80: 2434.57,8929.57 cw(c2385.24,8880.24) 2455,8880.24 cw(c2524.76,8880.24) 2475.43,8929.57 ; 2455,8950 2455,8805 2630,8630 ; 2580.67,8679.33 ccw(c2630,8728.66) 2630,8658.9 ; 6590,3866.1 cw(c6590,3796.34) 6639.33,3845.67 cw(c6688.66,3895) 6618.9,3895 ; 6590,3895 6695,3790 7150,3790 7257.01,3897.01 7257.01,3930 ; 10249.23,4331.55 9840,4740.78 9840,4855 9880,4815 v1@10530.35,4815 ; v1@10535.35,4420 v1(10805,4420) v1(10850,4420) ; v1@10894.65,4420 10894.65,4250.35 11025,4120 11745.35,4120 v1@12045.35,4420 ; v1(12100,4420) v1(12140,4420) v1(12350,4420) v1(12395,4420) ; v1@12439.65,4420 12609.65,4250 13060,4250 13188.11,4378.11 13188.11,5625 13058.11,5755 12695,5755 12505,5945 ; v1@12439.65,4815 12439.65,4794.57 12725.77,4508.45 12833.45,4508.45 13060,4735 13060,4790